# Altium PCB wtc_spi.PcbDoc (part 1 of 2) (continued)
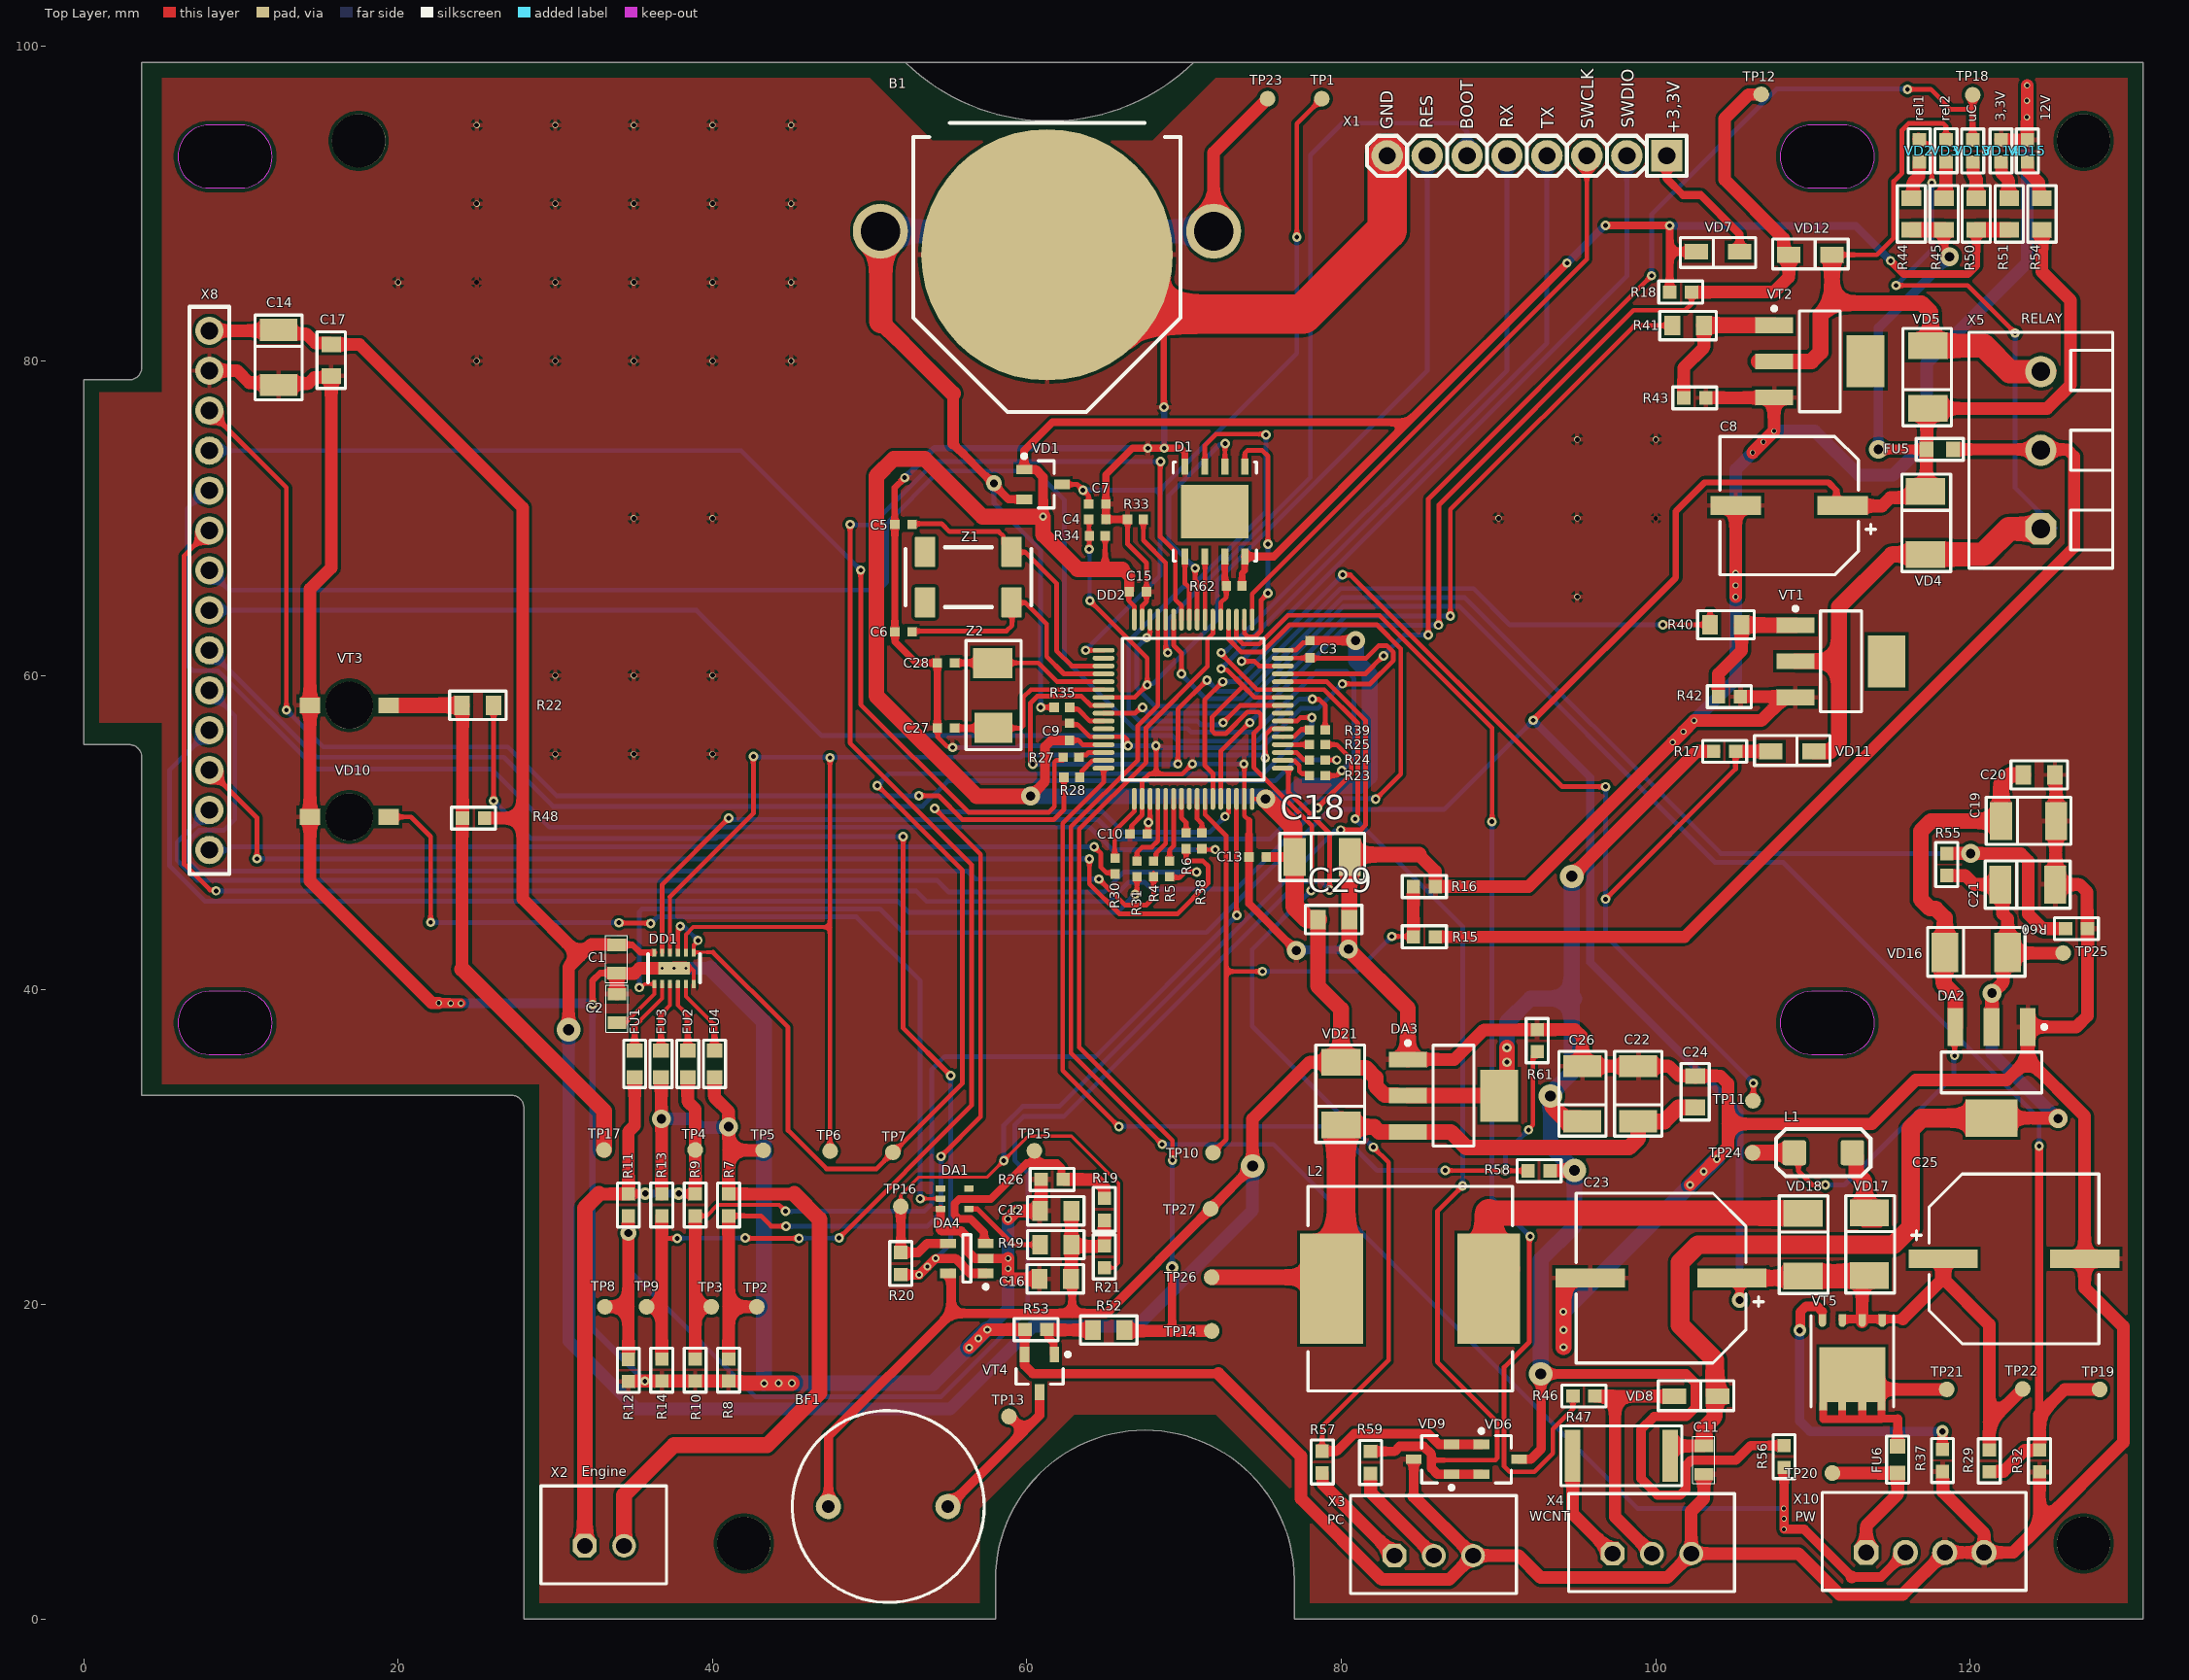
[diagram p0: Top Layer view]
## Components (designator, comment, footprint, x,y, rotation, side; value= is the part's Value field where it differs from the comment) (continued)
R58 "10k" CH0603R 92.575,28.5 r0 top
R59 "100" CH0603R 81.85,9.95 r90 top
R60 "30k" CH0603R 126.75,43.9 r180 top
R61 "10k" CH0603R 92.45,36.775 r270 top
R62 "10 кОм" CH0402R 73.175,65.7 r0 top
TP1 "=value" TESTPOINT 78.75,96.675 r90 top
TP2 "=value" TESTPOINT 42.81,19.85 r90 top
TP3 "=value" TESTPOINT 39.93,19.85 r90 top
TP4 "=value" TESTPOINT 38.9,29.825 r90 top
TP5 "=value" TESTPOINT 43.225,29.8 r90 top
TP6 "=value" TESTPOINT 47.475,29.75 r90 top
TP7 "=value" TESTPOINT 51.475,29.675 r90 top
TP8 "=value" TESTPOINT 33.154,19.85 r90 top
TP9 "=value" TESTPOINT 35.807,19.85 r90 top
TP10 "=value" TESTPOINT 71.825,29.65 r90 top
TP11 "=value" TESTPOINT 106.175,32.95 r90 top
TP12 "=value" TESTPOINT 106.7,96.95 r90 top
TP13 "=value" TESTPOINT 58.85,12.875 r90 top
TP14 "=value" TESTPOINT 71.75,18.314 r90 top
TP15 "=value" TESTPOINT 60.475,29.775 r180 top
TP16 "=value" TESTPOINT 51.975,26.225 r0 top
TP17 "=value" TESTPOINT 33.099,29.825 r90 top
TP18 "=value" TESTPOINT 120.15,96.925 r90 top
TP19 "=value" TestPoint 128.225,14.595 r90 top
TP20 "=value" TestPoint 111.225,9.275 r90 top
TP21 "=value" TestPoint 118.5,14.6 r90 top
TP22 "=value" TestPoint 123.325,14.625 r90 top
TP23 "=value" TESTPOINT 75.3,96.675 r90 top
TP24 "=value" TestPoint 106.15,29.65 r90 top
TP25 "=value" TestPoint 125.9,42.35 r90 top
TP26 "=value" TestPoint 71.75,21.725 r90 top
TP27 "=value" TestPoint 71.675,26.075 r90 top
VD1 "BAT54A" SOT23_123 61.025,72.15 r0 top
VD2 "GREEN" CH0603LB 116.75,93.375 r90 top
VD3 "YELLOW" CH0603LB 118.45,93.375 r90 top
VD4 "B340A-E3/61T" SMA 117.15,69.7 r90 top
VD5 "B340A-E3/61T" SMA 117.3,78.975 r270 top
VD6 "BAT54A" SOT23_123 90.1,10.15 r0 top
VD7 "F1J" SOD123F 103.95,86.95 r180 top
VD8 "F1J" SOD123F 102.55,14.15 r0 top
VD9 "PESD3V3S2UT" SOT23_132 85.8,10.15 r180 top
VD10 "TMSL1000" TSML1000 16.9,51 r180 top
VD11 "F1J" SOD123F 108.675,55.175 r0 top
VD12 "F1J" SOD123F 109.825,86.75 r0 top
VD13 "BLUE" CH0603LB 120.15,93.35 r90 top
VD14 "RED" CH0603LB 121.95,93.35 r90 top
VD15 "ORANGE" CH0603LB 123.625,93.35 r90 top
VD16 "S2MA" SMA 120.375,42.375 r180 top
VD17 "S2MA" SMA 113.575,23.825 r90 top
VD18 "S2MA" SMA 109.35,23.8 r90 top
VD21 "S2MA" SMA 79.975,33.4 r270 top
VT1 "IRLL014TRPBF" SOT223 111.775,60.9 r0 top
VT2 "IRLL014TRPBF" SOT223 110.425,79.975 r0 top
VT3 "TEMT1000" TEMT1000 16.9,58.1 r180 top
VT4 "2N7002" SOT23_123 60.8,15.625 r270 top
VT5 "IRFHM9331TRPBF" PQFN-5x6 114.395,19.075 r90 top
X1 "*" "CON: PLS-8" 91.8,93.05 r180 top
X2 "*" "CON: CWF-2" 33.125,4.65 r0 top
X3 "*" "CON: CWF-3" 85.875,4.025 r0 top
X4 "*" "CON: CWF-3" 99.75,4.15 r0 top
X5 "*" "CON: 300-03P-5.0" 124.484,74.325 r90 top
X8 "*" DS1024-14 8,48.9 r90 top locked
X10 "*" "CON: CWF-4" 117.125,4.225 r0 top
Z1 "32,768 SMD" "SMD 32.768KHZ" 56.275,66.25 r180 top
Z2 "8МГц" "OSC: ABM3" 57.875,58.725 r180 top

## Footprints (in the part's own frame and the unit in brackets; to place one, negate y for a bottom-side part, rotate by r counter-clockwise, add the part's x,y. Pads: shape width x height; smd on the part's side, far side on the other; paste and mask are expansions set on the pad)
"8-WSON (5x6mm)without_holes" [mm]
  round 0.5 on Mech1: 0(-2.5,2)
  round 0.5 on Top Overlay: 1(-3.5,3)
  rect 1x0.45 smd: 1(-2.86,1.905) 2(-2.86,0.635) 3(-2.86,-0.635) 4(-2.86,-1.905) 5(2.86,-1.905) 6(2.86,-0.635) 7(2.86,0.635) 8(2.86,1.905)
  rect 3.4x4.3 smd paste-1.7: 9(0,0)
  silkscreen extent -3.15,-2.65 3.15,2.65, body extent -3.05,-2.5 2.95,2.5, height 0.8
64-LQFP [mm] "Thin QFP, 64-Leads, Body 10x10mm, Pitch 0.5mm, IPC Medium Density"
  oval 1.4x0.3 smd: 1(-5.7,3.75) 2(-5.7,3.25) 3(-5.7,2.75) 4(-5.7,2.25) 5(-5.7,1.75) 6(-5.7,1.25) 7(-5.7,0.75) 8(-5.7,0.25) 9(-5.7,-0.25) 10(-5.7,-0.75) 11(-5.7,-1.25) 12(-5.7,-1.75) 13(-5.7,-2.25) 14(-5.7,-2.75) 15(-5.7,-3.25) 16(-5.7,-3.75) 33(5.7,-3.75) 34(5.7,-3.25) 35(5.7,-2.75) 36(5.7,-2.25) 37(5.7,-1.75) 38(5.7,-1.25) 39(5.7,-0.75) 40(5.7,-0.25) 41(5.7,0.25) 42(5.7,0.75) 43(5.7,1.25) 44(5.7,1.75) 45(5.7,2.25) 46(5.7,2.75) 47(5.7,3.25) 48(5.7,3.75)
  round 0.5 on Mech1: 1(-5.4,5.4)
  oval 0.3x1.4 smd: 17(-3.75,-5.7) 18(-3.25,-5.7) 19(-2.75,-5.7) 20(-2.25,-5.7) 21(-1.75,-5.7) 22(-1.25,-5.7) 23(-0.75,-5.7) 24(-0.25,-5.7) 25(0.25,-5.7) 26(0.75,-5.7) 27(1.25,-5.7) 28(1.75,-5.7) 29(2.25,-5.7) 30(2.75,-5.7) 31(3.25,-5.7) 32(3.75,-5.7) 49(3.75,5.7) 50(3.25,5.7) 51(2.75,5.7) 52(2.25,5.7) 53(1.75,5.7) 54(1.25,5.7) 55(0.75,5.7) 56(0.25,5.7) 57(-0.25,5.7) 58(-0.75,5.7) 59(-1.25,5.7) 60(-1.75,5.7) 61(-2.25,5.7) 62(-2.75,5.7) 63(-3.25,5.7) 64(-3.75,5.7)
  round 0.5 on Top Overlay: ""(-5.7,4.4)
  silkscreen extent -4.5,-4.5 4.5,4.5, body extent -6,-6 6,6, height 1.5
"BUZ: AI-1223-TWT-3V-2-R" [mm]
  round 1.6 hole 0.8: 1(-3.8,0) 2(3.8,0)
  round 0.5 on Top Overlay: ""(-6.7,0)
  round 0.5 on Mech1: ""(-5.4,0)
  silkscreen extent -6.1,-6.1 6.1,6.1, body extent -6,-6 6,6, height 7.55
C_0603 [mm]
  rect 0.8x1.2 smd: 1(-0.9,0) 2(0.9,0)
  silkscreen extent -1.5,-0.7 1.5,0.7, body extent -0.8,-0.4 0.8,0.4, height 0.6
CH0402C [mm]
  rect 0.6x0.6 smd: 1(-0.55,0) 2(0.55,0)
  body extent -0.51,-0.25 0.51,0.25, height 0.51
CH0402R [mm]
  rect 0.6x0.6 smd: 1(-0.5,0) 2(0.5,0)
  body extent -0.52,-0.25 0.47,0.25, height 0.34
CH0603F [mm] "Chip Resistor, Body 1.6x0.8mm, EIA 0603, IPC Medium Density"
  rect 0.9x1 smd: 1(-0.85,0) 2(0.85,0)
  Top Layer pour cut-out: -0.6,0.5 -0.4,0.7 0.4,0.7 0.6,0.5 0.6,-0.5 0.4,-0.7 -0.4,-0.7 -0.6,-0.5
  silkscreen extent -1.5,-0.7 1.5,0.7, body extent -0.87,-0.47 0.88,0.48, height 0.54
CH0603LB [mm] "Chip Capacitor, 2-Leads, Body 1,53x0,85mm, IPC Medium Density"
  rect 0.85x0.85 smd: 1(-0.7,0) 2(0.7,0)
  silkscreen extent -1.4,-0.7 1.4,0.7, body extent -0.8,-0.4 0.8,0.4, height 0.6
CH0603R [mm]
  rect 0.85x0.85 smd: 1(-0.7,0) 2(0.7,0)
  silkscreen extent -1.4,-0.7 1.4,0.7, body extent -0.8,-0.4 0.8,0.4, height 0.44
CH0805C [mm] "Chip Capacitor, 2-Leads, Body 2,00x1,20mm, IPC Medium Density"
  rect 1x1.25 smd: 1(-1,0) 2(1,0)
  silkscreen extent -1.8,-0.9 1.8,0.9, body extent -1,-0.62 1,0.63, height 0.78
CH0805R [mm]
  rect 1x1.25 smd: 1(-1,0) 2(1,0)
  silkscreen extent -1.8,-0.9 1.8,0.9, body extent -1,-0.6 1,0.6, height 0.44
CH2512R [mm]
  rect 1x3.3 smd: 1(-3.1,0) 2(3.1,0)
  silkscreen extent -3.85,-1.9 3.85,1.9, body extent -3.18,-1.6 3.18,1.6, height 0.52
"CON: 300-03P-5.0" [mm] "3 pin 5.08mm screw connector"
  oct 2x2 hole 1.2: 1(-5,0)
  round 2 hole 1.2: 2(0,0) 3(5,0)
  round 0.5 on Mech1: 11(-6.7,-3.7)
  silkscreen extent -7.5,-4.57 7.5,4.57, body extent -7.62,-4.44 7.62,4.56, height 12.5
"CON: CWF-2" [mm]
  oct 1.5x1.5 hole 1: 1(-1.25,0)
  round 1.5 hole 1: 2(1.25,0)
  round 0.5 on Mech1: 23(-3.2,-1.7)
  round 0.5 on Top Overlay: 24(-4.5,-2.1)
  silkscreen extent -4.04,-2.41 3.96,3.81, body extent -3.75,-2.18 3.75,3.57, height 7
"CON: CWF-3" [mm]
  oct 1.5x1.5 hole 1: 1(-2.5,0)
  round 1.5 hole 1: 2(0,0) 3(2.5,0)
  round 0.5 on Mech1: 28(-4.5,-1.7)
  silkscreen extent -5.29,-2.41 5.25,3.81, body extent -5,-2.2 5,3.55, height 7
"CON: CWF-4" [mm]
  oct 1.6x1.6 hole 1: 1(-3.75,0)
  round 1.6 hole 1: 2(-1.25,0) 3(1.25,0) 4(3.75,0)
  round 0.5 on Mech1: ""(-5.9,-1.8)
  silkscreen extent -6.54,-2.41 6.41,3.81, body extent -6.27,-2.19 6.13,3.56, height 7
"CON: PLS-8" [mm] "PLS-40 8 pin header"
  rect 2x2 hole 1.1: 1(-8.89,0)
  round 2 hole 1.1: 2(-6.35,0) 3(-3.81,0) 4(-1.27,0) 5(1.27,0) 6(3.81,0) 7(6.35,0) 8(8.89,0)
  silkscreen extent -10.16,-1.27 10.16,1.27, body extent -10.16,-1.27 10.16,1.27, height 8.54
CR2032 [mm]
  round 3.5 hole 2.5: 1(-10.6,1.5) 1(10.6,1.5)
  round 16 smd: 2(0,0)
  silkscreen extent -8.5,-10 8.5,8.4, body extent -10.85,-10 10.85,10.1, height 3.3
D8C3.2H12 [mm]
  rect 3.2x1.2 smd: 1(-3.4,0) 2(3.4,0)
  round 0.5 on Mech1: ""(-4.3,-3.7)
  silkscreen extent -5.5,-4.4 4.4,4.4, body extent -4.85,-4.25 4.85,4.25, height 10.5
D10C4.4H10 [mm]
  rect 4.4x1.2 smd: 1(-4.5,0) 2(4.5,0)
  silkscreen extent -6.5,-5.4 5.4,5.4, body extent -5.9,-5.25 5.9,5.25, height 10.5
DS1024-14 [mm]
  round 1.8 hole 1.1: 1(0,0) 2(2.54,0) 3(5.08,0) 4(7.62,0) 5(10.16,0) 6(12.7,0) 7(15.24,0) 8(17.78,0) 9(20.32,0) 10(22.86,0) 11(25.4,0) 12(27.94,0) 13(30.48,0) 14(33.02,0)
  silkscreen extent -1.52,-1.27 34.54,1.27, body extent -1.49,-1.25 34.51,1.25, height 5
IND:1812 [mm]
  rrect20% 1.5x1.6 smd: 1(-1.85,0) 2(1.85,0)
  silkscreen extent -3,-1.5 3,1.5, body extent -2.45,-1.6 2.45,1.6, height 3.2
"IND: SRR1208" [mm]
  rect 4x7 smd: 1(-5,0) 2(5,0)
  silkscreen extent -6.5,-6.5 6.5,6.5, body extent -6.35,-6.35 6.35,6.35, height 8.5
"OSC: ABM3" [mm] "Quartz"
  rect 2.4x1.9 smd: 1(0,2.05)
  rect 2.5x1.9 smd: 3(0.05,-2.05)
  silkscreen extent -1.75,-3.5 1.75,3.45, body extent -1.6,-2.45 1.6,2.55, height 1.3
PQFN-5x6 [mm]
  oval 0.6x0.47 smd: 1(-0.2,3.81) 3(-0.2,2.54) 3(-0.2,1.27) 3(-0.2,0)
  rrect0% 0.6x0.47 smd: 1(0,3.81) 3(0,2.54) 3(0,1.27) 3(0,0)
  rrect0% 0.8x0.5 smd: 2(-5.4,0.05) 2(-5.4,1.27) 2(-5.4,2.54) 2(-5.4,3.76)
  rect 3.5x4.21 smd: 2(-3.55,1.905)
  round 0.5 on Mech1: 3(-0.2,4)
  round 0.5 on Top Overlay: 5(0,5)
  silkscreen extent -5.6,-0.73 0.2,4.53, body extent -5.71,-0.6 0.31,4.4, height 0.9
SMA [mm]
  rect 1.7x2.5 smd: 1(-2,0) 2(2,0)
  round 0.5 on Mech1: ""(2,0.9)
  silkscreen extent -3.1,-1.6 3.1,1.5, body extent -2.5,-1.35 2.5,1.35, height 2.28
"SMD 32.768KHZ" [mm]
  rrect5% 1.3x1.9 smd: 1(-2.75,-1.6) 2(-2.75,1.6) 3(2.75,1.6) 3(2.75,-1.6)
  silkscreen extent -4,-1.9 4,1.9, body extent -4,-1.9 4,1.9, height 2.5
SOD123F [mm] "Schottky Diode, 2-Leads, Body 3x2mm, 0.4W"
  rect 1.5x1 smd: 1(-1.375,0) 2(1.375,0)
  round 0.5 on Mech1: ""(1.5,0.5)
  silkscreen extent -2.4,-0.9 2.4,1, body extent -1.87,-0.85 1.88,0.85, height 1.23
SOT23-5 [mm] "SOT23, 5-Leads, Body 2,90x2,80mm, Pitch 0,95mm, IPC Medium Density"
  rect 1x0.6 smd: 1(-1.2,0.95) 2(-1.2,0) 3(-1.2,-0.95) 4(1.2,-0.95) 5(1.2,0.95)
  round 0.5 on Mech1: ""(-1.1,1.1)
  silkscreen extent -1.33,-1.5 0.25,1.92, body extent -1.5,-1.5 1.5,1.5, height 1.3
SOT23_123 [mm] "SOT23, 3-Leads, Body 3,0x2,6mm (max), Pitch 0,95mm, IPC Medium Density"
  rect 1x0.6 smd: 1(-1.2,0.95) 2(1.2,0) 3(-1.2,-0.95)
  round 0.5 on Mech1: ""(-0.9,1.1)
  silkscreen extent -1.32,-1.5 0.7,1.92, body extent -1.32,-1.52 1.32,1.52, height 1.12
SOT23_132 [mm] "SOT23, 3-Leads, Body 3,0x2,6mm (max), Pitch 0,95mm, IPC Medium Density"
  rect 1x0.6 smd: 1(-1.2,0.95) 2(-1.2,-0.95) 3(1.2,0)
  round 0.5 on Mech1: ""(-0.9,1.1)
  silkscreen extent -1.33,-1.5 0.7,1.92, body extent -1.32,-1.52 1.32,1.52, height 1.12
SOT223 [mm] "SOT223, 4-Leads, Body 6,50x7,00mm (avg), Pitch 2,30mm, IPC Medium Density"
  rect 2.4x1 smd: 1(-2.9,2.3) 2(-2.9,0) 3(-2.9,-2.3)
  rect 2.4x3.3 smd: 4(2.9,0)
  round 0.5 on Mech1: ""(-3,2.7)
  silkscreen extent -3.02,-3.2 1.3,3.47, body extent -3.48,-3.25 3.48,3.25, height 1.65
SOT223_123 [mm]
  rect 2.4x1 smd: 1(-2.9,2.3) 2(-2.9,-2.3) 3(-2.9,0)
  rect 2.4x3.3 smd: 3(2.9,0)
  round 0.5 on Mech1: ""(-3,2.7)
  silkscreen extent -3.02,-3.2 1.3,3.48, body extent -3.48,-3.25 3.48,3.25, height 1.65
SOT353 [mm]
  rrect20% 0.6x0.4 smd: 1(0,0) 2(0,-0.65) 3(0,-1.3) 4(1.8,-1.3) 5(1.8,0)
  body extent -0.2,-1.73 2,0.48, height 1
TANTAL_B [mm]
  rect 1.4x2.4 smd: 1(-1.75,0) 2(1.75,0)
  round 0.5 on Mech1: ""(-1.4,1)
  silkscreen extent -2.7,-1.5 2.7,1.5, body extent -1.85,-1.46 1.85,1.47, height 2.03
TEMT1000 [mm]
  rect 1.3x1 smd: 1(-2.5,0) 2(2.5,0)
  body extent -2.9,-1 2.9,1, height 1.55
TESTPOINT [mm]
  round 1 smd: 0(0,0)
TestPoint [mm]
  round 1 smd: 0(0,0)
TSML1000 [mm]
  rect 1.3x1 smd: 1(-2.5,0) 2(2.5,0)
  body extent -2.9,-1 2.9,1, height 1.55
WSON12 [mm]
  rrect10% 0.5x0.25 smd: 1(-1,2.5) 2(-1,2) 3(-1,1.5) 4(-1,1) 5(-1,0.5) 6(-1,0) 7(1,0) 8(1,0.5) 9(1,1) 10(1,1.5) 11(1,2) 12(1,2.5)
  rrect1% 0.8x2 smd: 13(0,1.25)
  rrect1% 0.8x2 smd far side: 13(0,1.25)
  silkscreen extent -0.9,-0.4 0.9,2.9, body extent -1.05,-0.31 1.05,2.81, height 0.88

## Part data
B1: library part Battery_CR2032
BF1: library part Buzzer, Manufacturer="PUI Audio, Inc.", ComponentKind="Internally Driven", HelpURL=https://www.digikey.com/product-detail/en/pui-audio-inc/AI-1223-TWT-3V-2-R/668-1456-ND/5011391, Model=AI-1223-TWT-3V-2-R
C1 C2 C11: library part C_SMD
C3 C4 C5 C6 C9 C10 C13 C15 C27 C28: library part Capacitor, "0402"
C7 C17 C20 C24 C29: library part Capacitor
C8 C23 C25: library part AlumCap
C12 C16: library part Capacitor, "0805"
C14 C18 C19 C21 C22 C26: library part TantalCap
D1: "Flash", Manufacturer="Winbond Electronics", ComponentKind=8-WSON, HelpURL=https://www.digikey.com/product-detail/en/winbond-electronics/W25Q128FVPIG/W25Q128FVPIG-ND/4037386, Model=W25Q128FVPIG
DA1: "Iout = 0.617/Rext + 15 µA"
DA2 DA3: library part LM1117
DA4: library part LMV331M5, "SOT23-5"
DD1: "Driver"
DD2: "Cortex-M3 (64-LQFP)"
FU1 FU2 FU3 FU4 FU5 FU6: library part Fuse
L1 L2: library part Inductor
R4 R5 R6 R23 R24 R25 R27 R28 R30 R31 R35 R38 R39 R62: library part Resistor, "0603"
R7 R8 R9 R10 R11 R12 R13 R14 R15 R16 R17 R18 R19 R20 R21 R22 R26 R29 R32 R37 R40 R41 R42 R43 R44 R45 R46 R47 R50 R51 R52 R53 R54 R55 R56 R57 R58 R59 R60 R61: library part Resistor
R33 R34 R48 R49: library part Resistor, "0805"
TP1 TP2 TP3 TP4 TP5 TP6 TP7 TP8 TP9 TP10 TP11 TP12 TP13 TP14 TP15 TP16 TP17 TP18 TP19 TP20 TP21 TP22 TP23 TP24 TP25 TP26 TP27: library part TestPoint
VD1: library part "Diod Schottky Array v.1", "SOT-23"
VD2 VD3 VD10 VD13 VD14 VD15: library part LED_1
VD4 VD5: library part "Diod Schottky"
VD6: library part "Diod Schottky Array v.1"
VD7 VD8 VD11 VD12 VD16 VD17 VD18 VD21: library part Diod
VD9: library part "TVS Array"
VT1 VT2 VT4: library part N-chanel, "Mosfet"
VT5: library part P-chanel, "Mosfet"
X1: library part 8-Connector, "Pin header 8"
X2: library part 2-Connector
X3 X4 X5: library part 3-Connector
X8: library part 14-Connector
X10: library part 4-Connector
Z1: library part Kvarc_32,768, "32,768 kHz SMD 8mm x 3.8mm 12,5pF"
Z2: library part Oscillator, "NX5032GA-8MHz"

## Free pads (board coordinates)
  round 3 hole 3: board(16.9,51) board(16.9,58.1)
  round 3.4 hole 3.4 unplated: NN(17.5,94) NN(42,4.8) NN(127.2,4.8) NN(127.2,94)

## Via types
v1: diameter 0.6, hole 0.3, Top Layer to Bottom Layer, 123 vias
v2: diameter 0.4, hole 0.3, Top Layer to Bottom Layer, 33 vias
v3: diameter 0.4, hole 0.25, Top Layer to Bottom Layer, 15 vias
v4: diameter 0.5, hole 0.25, Top Layer to Bottom Layer, 13 vias
v5: diameter 1.2, hole 0.6, Top Layer to Bottom Layer, 12 vias
v6: diameter 0.35, hole 0.25, Top Layer to Bottom Layer, 7 vias
v7: diameter 1.5, hole 0.7, Top Layer to Bottom Layer, 6 vias
v8: diameter 0.5, hole 0.3, Top Layer to Bottom Layer, 5 vias
v9: diameter 0.8, hole 0.4, Top Layer to Bottom Layer, 5 vias
v10: diameter 1, hole 0.5, Top Layer to Bottom Layer, 3 vias
v11: diameter 0.3, hole 0.2, Top Layer to Bottom Layer, 3 vias
v12: diameter 0.3, hole 0.3, Top Layer to Bottom Layer, 2 vias

## Nets (pads, with @x,y where several pads share a name; then routed paths per layer and width w, separated by ;. In a path a pad name is that pad's centre, name@x,y a point inside that pad or via, vN(x,y) a via of type N, cw(c..) or ccw(c..) an arc to the next point about the centre after c; other vN are vias at no path point)
3R3V_CNTR: DD2.16 R58.1 R61.2 | length 61
  Top Layer w0.2: v1(86.6,28.525) v1@86.612,28.513 ; v1@90.412,28.513 v1(90.425,28.5)
  Top Layer w0.3: DD2.16@64.875,54.1 64.875,53.2 62.275,50.6 62.275,34.875 v1(65.85,31.3) ; v1@86.612,28.513 v1@90.412,28.513 ; v1(90.425,28.5) R58.1@91.875,28.5 ; v1(91.9,31.1) 91.9,31.151 92.175,31.426 92.175,35.8 R61.2@92.45,36.075
  Bottom Layer w0.3: v1(65.85,31.3) 65.875,31.325 79.47,31.325 82.27,28.525 v1(86.6,28.525) ; v1(90.425,28.5) 90.425,29.625 v1(91.9,31.1)
5V_CNTR: DD2.59 R55.1 R60.2 | length 75.5
  Top Layer w0.3: DD2.59@69.325,63.55 69.325,61.925 69.825,61.425 v1(69.825,60.1)
  Top Layer w0.8: R55.1@118.5,48.675 v5(120.025,48.675) 123.206,48.675 123.675,48.206 123.675,44.825 124.6,43.9 R60.2@126.05,43.9
  Bottom Layer w0.2: v1@69.825,60.05 v1(69.825,60.1)
  Bottom Layer w0.3: v1@69.825,60.05 71.35,58.525 73.625,58.525 80.05,64.95 87.85,64.95 104.125,48.675 v5(120.025,48.675)
12V_CNTR: DD2.62 R29.1 R32.2 TP19.0 | length 108
  Top Layer w0.2: v1(67.615,62.408) v1@67.825,62.618 ; R29.1@121.2,9.35 R29.1@121.225,9.375
  Top Layer w0.3: v1@67.825,62.618 DD2.62@67.825,63.55
  Top Layer w0.5: v1(124.375,30.075) 124.375,13.025 124.4,13
  Top Layer w0.8: R29.1@121.225,9.375 122.1,9.375 123.45,10.725 124.375,10.725 R32.2@124.4,10.75 124.4,13 125.995,14.595 TP19.0@128.225,14.595
  Bottom Layer w0.3: v1(67.615,62.408) 66.975,61.768 66.975,59.225 68.15,58.05 73.775,58.05 80.125,64.4 87.475,64.4 103.75,48.125 108.075,48.125 124.375,31.825 v1(124.375,30.075)
+3.3V: BF1.1 C1.2 C3.1 C9.1 C10.2 C12.2 C13.2 C14.1 C15.2 C16.2 C17.2 C18.1 C26.1 C29.2 D1.8 DA3.3 DA4.5 DD1.12 DD2.13 DD2.19 DD2.32 DD2.48 DD2.64 R17.2 R18.2 R19.2 R21.2 R34.1 R48.2 R49.2 R50.2 R51.2 R56.2 R58.2 R62.2 TP27.0 VD1.1 VD6.2 VD7.2 VD21.1 X8.14 | length 533.4
  Top Layer w0.2: DA4.5@54.975,21.975 DA4.5@55.175,21.975 ; VD1.1@59.673,73.252 VD1.1@59.71,73.215 ; C12.2@62.825,25.95 C12.2@62.926,26.051 ; DA3.3@90.025,33.275 DA3.3@90.526,33.776
  Top Layer w0.25: DD2.48@76.275,61.6 76.285,61.61 DD2.48@76.87,61.61
  Top Layer w0.3: C9.1@62.7,55.875 63.275,55.875 63.55,55.6 DD2.13@64.875,55.6 ; 64.975,66.75 R34.1@64.975,68.875 ; C15.2@66.5,65.325 66.475,65.3 66.475,64.75 66.825,64.4 66.825,64.1 DD2.64@66.825,63.55 ; C10.2@67.65,49.925 67.699,49.974 67.699,50.499 v1@67.825,50.625 ; v1(67.725,50.65) 67.725,50.731 67.825,50.831 DD2.19@67.825,52.15 ; DD2.32@74.325,52.15 v5(75.175,52.15) ; DD2.48@76.87,61.61 77.085,61.61 77.55,62.075 77.85,62.075 C3.1@78,62.225
  Top Layer w0.4: C1.2@33.9,42.875 34.9,42.875 35.4,42.375 DD1.12@36.3,42.375 ; R62.2@73.675,65.7 73.675,66.493 73.855,66.673 D1.8@73.855,67.565
  Top Layer w0.5: VD1.1@59.825,73.1 59.825,74.3 61.625,76.1 84.225,76.1 ; C16.2@62.8,21.625 62.875,21.55 62.875,19.425 ; D1.8@73.855,67.565 75.69,67.565 84.225,76.1 ; R58.2@93.3,28.5 R58.2@93.313,28.512 ; v1(94.35,86.225) 84.225,76.1 ; v7@94.812,28.512 v7(94.825,28.525) ; v1(96.8,88.625) 96.812,88.612 100.863,88.612 v1(100.875,88.6) 100.875,86.95 ; v1@100.85,88.504 100.856,88.51 100.856,88.569 v1@100.85,88.575 ; R18.2@100.875,84.375 100.875,86.95 ; VD7.2@102.575,86.95 100.875,86.95 ; v1(114.925,86.375) 115.775,85.525 119.85,85.525 120.375,86.05 R50.2@120.375,88.35
  Top Layer w0.6: BF1.1@47.375,7.15 47.375,11.625 55.175,19.425 ; DA4.5@55.175,21.975 55.175,19.425 ; VD1.1@59.825,73.1 60.544,73.1 61.025,72.619 v4(61.025,70.1) ; v5(60.225,52.325) 61.15,53.25 61.15,55.475 61.55,55.875 C9.1@62.7,55.875 ; C15.2@66.5,65.325 66.5,66.315 ; v7(74.35,28.8) 74.35,28.775 71.675,26.1 TP27.0@71.675,26.075 65.025,19.425 62.875,19.425 55.175,19.425 ; C13.2@75.225,48.45 C18.1@77.025,48.45 ; C3.1@78,62.225 v5(80.9,62.225) ; VD6.2@91.3,10.15 92.05,10.15 92.7,10.8 v7@92.7,15.575 ; v7(92.675,15.575) 101.925,15.575 102.5,15 102.5,13.45 101.925,12.875 99.875,12.875 99.05,12.05 99.05,8.925 100.1,7.875 101.549,7.875 101.9,8.226 101.9,9.749 102.251,10.1 105.1,10.1 106.025,11.025 R56.2@108.15,11.025
  Top Layer w0.8: X8.14@8,81.92 C14.1@12.425,81.92 ; C14.1@12.425,81.95 12.661,81.714 14.186,81.714 14.75,81.15 15.65,81.15 C17.2@15.75,81.05 17.55,81.05 27.925,70.675 27.925,50.925 ; R48.2@25.5,50.925 27.925,50.925 ; v7(30.85,37.475) 30.85,41.449 31.563,42.162 ; C1.2@33.9,42.875 33.466,42.875 33.442,42.899 32.3,42.899 31.563,42.162 ; C16.2@62.825,21.65 R49.2@62.825,23.8 C12.2@62.825,25.95 ; R49.2@62.9,23.7 64.9,23.7 R21.2@64.925,23.725 R19.2@64.925,25.35 ; 66.065,66.75 66.5,66.315 ; v7(74.35,28.8) 74.35,31.8 77.95,35.4 VD21.1@79.975,35.4 ; DA3.3@83.489,33.311 83.525,33.275 DA3.3@84.225,33.275 ; R58.2@93.313,28.512 v7@94.812,28.512 ; v7(94.65,47.225) 102.6,55.175 R17.2@103.675,55.175 ; 27.925,50.925 27.925,45.8 31.563,42.162
  Top Layer w1: v5(60.225,52.325) 56.8,52.325 50.425,58.7 50.425,72.675 51.525,73.775 53.5,73.775 57.175,70.1 v4(61.025,70.1) 61.025,68.95 63.225,66.75 64.975,66.75 66.065,66.75 ; C29.2@78.5,44.425 78.5,40.25 79.975,38.775 VD21.1@79.975,35.4 80.325,35.05 81.55,35.05 82.179,34.421 82.179,33.897 82.765,33.311 DA3.3@83.489,33.311 ; DA3.3@84.225,33.275 DA3.3@90.025,33.275 90.526,33.776 v1(90.526,36.324) ; v7(93.3,33.25) 93.396,33.154 93.396,32.59 94.136,31.85 95.125,31.85 C26.1@95.325,31.65 ; R50.2@120.375,88.35 R51.2@122.475,88.35
  Top Layer w1.2: v5(75.175,52.15) 76.927,50.398 76.927,48.548 C18.1@77.025,48.45 77.025,45.303 77.828,44.5 78.475,44.5 C29.2@78.5,44.475
  Bottom Layer w0.3: v1(67.725,50.65) 67.782,50.707 67.782,50.92 67.824,50.961 67.824,52.15
  Bottom Layer w0.5: v1(94.35,86.225) 96.731,88.606 96.781,88.606 v1(96.8,88.625) ; v1@100.902,88.6 112.7,88.6 v1(114.925,86.375)
  Bottom Layer w0.8: v7(30.85,37.475) 30.85,17.675 35.175,13.35 55.125,13.35 60.375,18.6 66.975,18.6 74.35,25.975 v7(74.35,28.8)
  Bottom Layer w1: v5(60.225,52.325) 74.946,52.325 75.121,52.15 v5(75.175,52.15) 75.213,52.188 76.563,52.188 77.35,52.975 81.214,52.975 81.8,53.561 81.8,60.075 80.938,60.937 80.938,62.187 v5(80.9,62.225) ; 90.526,33.874 v1(90.526,35.408) ; v1(90.526,36.324) 90.526,37.951 92.025,39.45 94.818,39.45 ; v7(92.675,15.575) 92.675,22.85 94.825,25 v7(94.825,28.525) ; v7(94.65,47.225) 94.65,34.735 93.3,33.385 93.3,30.057 v7@94.825,28.532
+5V: C11.2 C21.1 DA2.3 R47.1 R55.2 TP25.0 VD8.2 VD16.1 | length 73.6
  Top Layer w0.8: R47.1@100.9,10.375 100.9,10.9 101,11 C11.2@103.05,11 ; VD8.2@103.726,14.05 103.826,14.15 VD8.2@103.85,14.15 ; VD8.2@103.75,14.25 VD8.2@103.85,14.15 ; VD8.2@103.925,14.15 VD8.2@103.85,14.15 ; R55.2@118.5,47.275 119.675,47.275 120.25,46.7 C21.1@121.9,46.7 122.049,46.551 122.049,44.851 122.375,44.525 VD16.1@122.375,42.375 ; DA2.3@121.351,31.851 v5@125.549,31.851 ; DA2.3@121.375,37.675 v5(121.375,39.8) 121.416,39.8 122.084,40.469 122.084,42.084 VD16.1@122.375,42.375 ; TP25.0@125.9,42.35 122.4,42.35 VD16.1@122.375,42.375
  Top Layer w1: C11.2@103.075,11.225 103.075,12.175 103.726,12.826 VD8.2@103.726,14.05
  Top Layer w1.2: VD8.2@103.75,14.25 103.75,16.477 101.55,18.677 101.55,22.675 102.675,23.8 115.125,23.8 116.2,24.875 116.2,31.147 116.903,31.85 DA2.3@121.35,31.85 ; v5@125.549,31.851 v5(125.575,31.825)
  Bottom Layer w0.8: v5(121.375,39.8) 121.375,35.975 125.525,31.825 v5(125.575,31.825)
+12V: C2.2 C8.1 C23.1 C25.1 DD1.1 FU5.1 R29.2 R44.2 R45.2 R54.2 TP22.0 VD4.2 VD5.2 VD17.1 VD18.1 VT5.3@111.855,18.875 VT5.3@111.855,19.075 VT5.3@113.125,18.875 VT5.3@113.125,19.075 VT5.3@114.395,18.875 VT5.3@114.395,19.075 | length 234.2
  Top Layer w0.2: v1(35.35,40.15) 35.458,40.15 35.683,40.375 DD1.1@36.3,40.375 ; VT5.3@111.855,18.875 VT5.3@111.855,19.075 ; VT5.3@114.395,18.875 VT5.3@114.395,19.075 ; VD5.2@117.225,76.3 117.272,76.3 117.272,76.975 VD5.2@117.3,76.975
  Top Layer w0.25: C2.2@33.925,37.95 34.5,37.95 36.3,39.75 DD1.1@36.3,40.375
  Top Layer w0.3: C23.1@105.283,21.675 C23.1@105.325,21.633
  Top Layer w0.4: v1(92.2,57.15) 101.275,66.225 101.275,70.45 103.1,72.275 110.975,72.275 111.484,71.766 111.484,71.191 C8.1@111.875,70.8
  Top Layer w0.5: v10(105.325,20.275) C23.1@105.325,21.633 ; VT5.3@111.855,19.075 VT5.3@113.125,19.075 VT5.3@114.395,19.075 115.7,19.075
  Top Layer w0.6: v5(114.15,74.375) 117.175,74.375 117.2,74.4 FU5.1@117.225,74.375 ; C25.1@118.275,22.9 C25.1@118.275,22.946 ; R45.2@118.325,88.35 118.325,88.175 118.3,88.15 118.3,87.162 118.675,86.787 v5(118.675,86.625)
  Top Layer w0.8: C8.1@111.75,70.775 114.375,70.775 114.914,71.314 116.764,71.314 VD4.2@117.15,71.7 117.2,71.75 FU5.1@117.2,74.375 ; VD17.1@113.106,21.394 113.125,21.375 VT5.3@113.125,19.075 VT5.3@113.125,18.875 ; 115.7,19.075 118.275,21.65 121.2,18.725 121.2,12.5 ; FU5.1@117.225,74.375 VD5.2@117.225,76.3 ; VD5.2@117.3,76.975 124.875,76.975 126.375,78.475 126.375,83.85 124.55,85.675 R54.2@124.55,88.325 ; R29.2@121.2,10.75 121.2,12.5 ; TP22.0@123.325,14.625 121.2,12.5
  Top Layer w1: C23.1@104.825,21.675 105.283,21.675 109.05,21.675 VD18.1@109.05,21.8 ; R44.2@116.25,88.35 R45.2@118.325,88.35 ; 118.275,21.65 C25.1@118.275,22.9
  Top Layer w1.5: VD18.1@109.05,21.8 VD18.1@109.35,21.8 VD17.1@113.55,21.8
  Bottom Layer w0.3: v1(35.35,40.15) 35.35,44.974 35.526,45.15 50.65,45.15 52.15,43.65 71.4,43.65 79.225,51.475 86.525,51.475 v1(92.2,57.15)
  Bottom Layer w0.5: v1(92.2,57.15) 95.825,53.525 95.825,41.75 105.325,32.25 v10(105.325,20.275)
  Bottom Layer w0.6: v5(114.15,74.375) 114.15,82.1 v5(118.675,86.625)
BACK_LIGHT: R39.1 X8.7 | length 77.3
  Top Layer w0.2: R39.1@78.969,56.531 R39.1@78.975,56.525
  Top Layer w0.3: v1(78.15,58.5) 78.168,58.482 78.593,58.482 78.969,58.106 R39.1@78.969,56.531
  Bottom Layer w0.3: X8.7@8,64.14 38.985,64.14 46.95,56.175 69.25,56.175 69.6,55.825 74.646,55.825 77.321,58.5 v1(78.15,58.5)
BIN1: DD1.8 DD1.10 DD2.38 TP6.0 | length 85.7
  Top Layer w0.25: DD1.10@37.3,42.375 37.3,45.925 ; DD1.8@38.3,42.375 38.3,43.525 38.775,44 47.475,44
  Top Layer w0.3: 37.3,45.925 42.6,51.225 v1(42.6,54.85) ; TP6.0@47.475,29.75 47.475,44 v1(47.475,54.775) ; v1(75.15,54.75) 75.15,56.227 75.523,56.6 DD2.38@76.275,56.6
  Bottom Layer w0.3: v1(42.6,54.85) 42.65,54.8 47.475,54.8 50.864,54.8 59.6,54.8 59.75,54.95 74.869,54.95 75.069,54.75 v1(75.15,54.75)
BIN2: DD1.7 DD1.9 DD2.39 TP7.0 | length 85.6
  Top Layer w0.2: DD1.7@38.8,42.393 40.03,42.393
  Top Layer w0.25: DD1.9@37.8,42.375 37.8,43.805 37.95,43.955 v1(37.95,44.05) ; DD1.7@38.8,42.375 38.8,42.393 38.8,42.829 39.075,43.104 v1(39.075,43.15)
  Top Layer w0.3: 40.03,42.393 44.806,37.617 44.806,31.069 47.25,28.625 50.425,28.625 TP7.0@51.475,29.675 ; v1(50.475,53) 50.5,53 55.9,47.6 55.9,34.061 TP7.0@51.675,29.836 ; DD2.39@76.275,57.1 77.175,57.1 77.4,57.325 v1(78.125,57.325)
  Bottom Layer w0.25: v1(37.95,44.05) 38.017,43.983 38.242,43.983 v1(39.075,43.15)
  Bottom Layer w0.3: v1(50.475,53) 51.225,53.75 75.025,53.75 78.125,56.85 v1(78.125,57.325)
BOOT: DD2.60 R33.2 X1.6 | length 57.1
  Top Layer w0.3: R33.2@67.4,69.925 67.4,68.6 68.825,67.175 DD2.60@68.825,63.55 68.825,61.629 68.95,61.504 v1(68.95,61.45)
  Bottom Layer w0.3: v1(68.95,61.45) 68.95,63.525 78.025,72.6 78.025,93.1 80.05,95.125 87.45,95.125 87.99,94.585 X1.6@87.99,93.05
BP_SENS: DD2.61 R56.1 X10.2 | length 102.1
  Top Layer w0.2: 112.475,2.667 112.483,2.667
  Top Layer w0.3: DD2.61@68.325,63.55 68.325,58.075 67.05,56.8 67.05,54.625 62.8,50.375 62.8,35.975 v1(68.6,30.175)
  Top Layer w0.6: R56.1@108.15,9.625 v6(108.15,5.7) 109.442,5.7 112.475,2.667 114.317,2.667 X10.2@115.875,4.225
  Bottom Layer w0.3: v1(68.6,30.175) 75.675,30.175 98.825,7.025 v6(108.125,7.025) 108.125,7.011 108.14,6.996 108.14,6.385 v6(108.15,6.375) v6(108.15,5.7)
  other v6: 108.15,5.7
D_COM_EN: R28.1 X8.12 | length 75.7
  Top Layer w0.3: X8.12@8,76.84 12.9,71.94 v1(12.9,57.8) ; v1(53.125,52.35) 54.375,52.35 55.9,50.825 61.7,50.825 62.35,51.475 R28.1@62.35,53.525
  Bottom Layer w0.3: v1(12.9,57.8) 15.25,55.45 26.975,55.45 30.075,52.35 v1(53.125,52.35)
D_MISO: R24.1 X8.6 | length 77.8
  Top Layer w0.2: R24.1@78.975,54.625 v1(79.705,54.625)
  Bottom Layer w0.3: X8.6@8,61.6 14.8,54.8 26.725,54.8 29.85,51.675 53.35,51.675 54.975,53.3 75.775,53.3 77.1,54.625 v1(79.705,54.625)
D_MOSI: R25.1 X8.9 | length 103.8
  Top Layer w0.3: X8.9@8,69.22 6.4,67.62 6.4,48 8.043,46.357 8.368,46.357 v1(8.425,46.3) ; v1(78.475,51.575) 80.625,53.725 80.625,54.668 79.693,55.6 R25.1@78.975,55.6
  Bottom Layer w0.3: v1(8.425,46.3) 52.95,46.3 53.625,45.625 65.25,45.625 66.475,46.85 67.475,46.85 67.9,46.425 73.325,46.425 v1(78.475,51.575)
D_RES: R27.1 X8.11 | length 72.1
  Top Layer w0.2: R27.1@62.28,54.609 R27.1@62.472,54.8
  Top Layer w0.3: v1(49.425,66.7) 49.425,58.15 56.275,51.3 61.4,51.3 61.75,51.65 61.75,54.491 61.867,54.609 R27.1@62.28,54.609
  Bottom Layer w0.3: X8.11@8,74.3 41.825,74.3 v1(49.425,66.7)
D_SCK: R23.1 X8.8 | length 100.6
  Top Layer w0.3: R23.1@78.975,53.625 79.7,53.625 v1(80.025,53.95)
  Bottom Layer w0.3: X8.8@8,66.68 9.25,65.43 50.58,65.43 51.075,65.925 51.075,69.675 54.4,73 60.55,73 62.375,71.175 62.375,61.075 66.825,56.625 70.2,56.625 70.425,56.4 74.575,56.4 78.425,60.25 80.35,60.25 80.8,59.8 80.8,54.725 v1(80.025,53.95)
DATA/COMM: R38.1 X8.10 | length 83.2
  Top Layer w0.2: R38.1@70.85,48.975 70.9,48.925 v1(71.975,48.925)
  Bottom Layer w0.3: X8.10@8,71.76 7.736,71.76 6.594,70.618 6.594,60.655 6.949,60.3 8.55,60.3 14.8,54.05 25.924,54.05 29.624,50.35 63.986,50.35 65.411,48.925 v1(71.975,48.925)